# Altium PCB Version_2.PcbDoc
Units mil, origin at the board's own origin, x right, y up, seen from the top; angles counter-clockwise.
Board outline 7874.02 x 5905.51 mil, 2 copper layers (Top Layer, Bottom Layer); 209 components, 112 nets, 573 pads, 95 vias.
Unrouted connection lines stored in the file: 7.
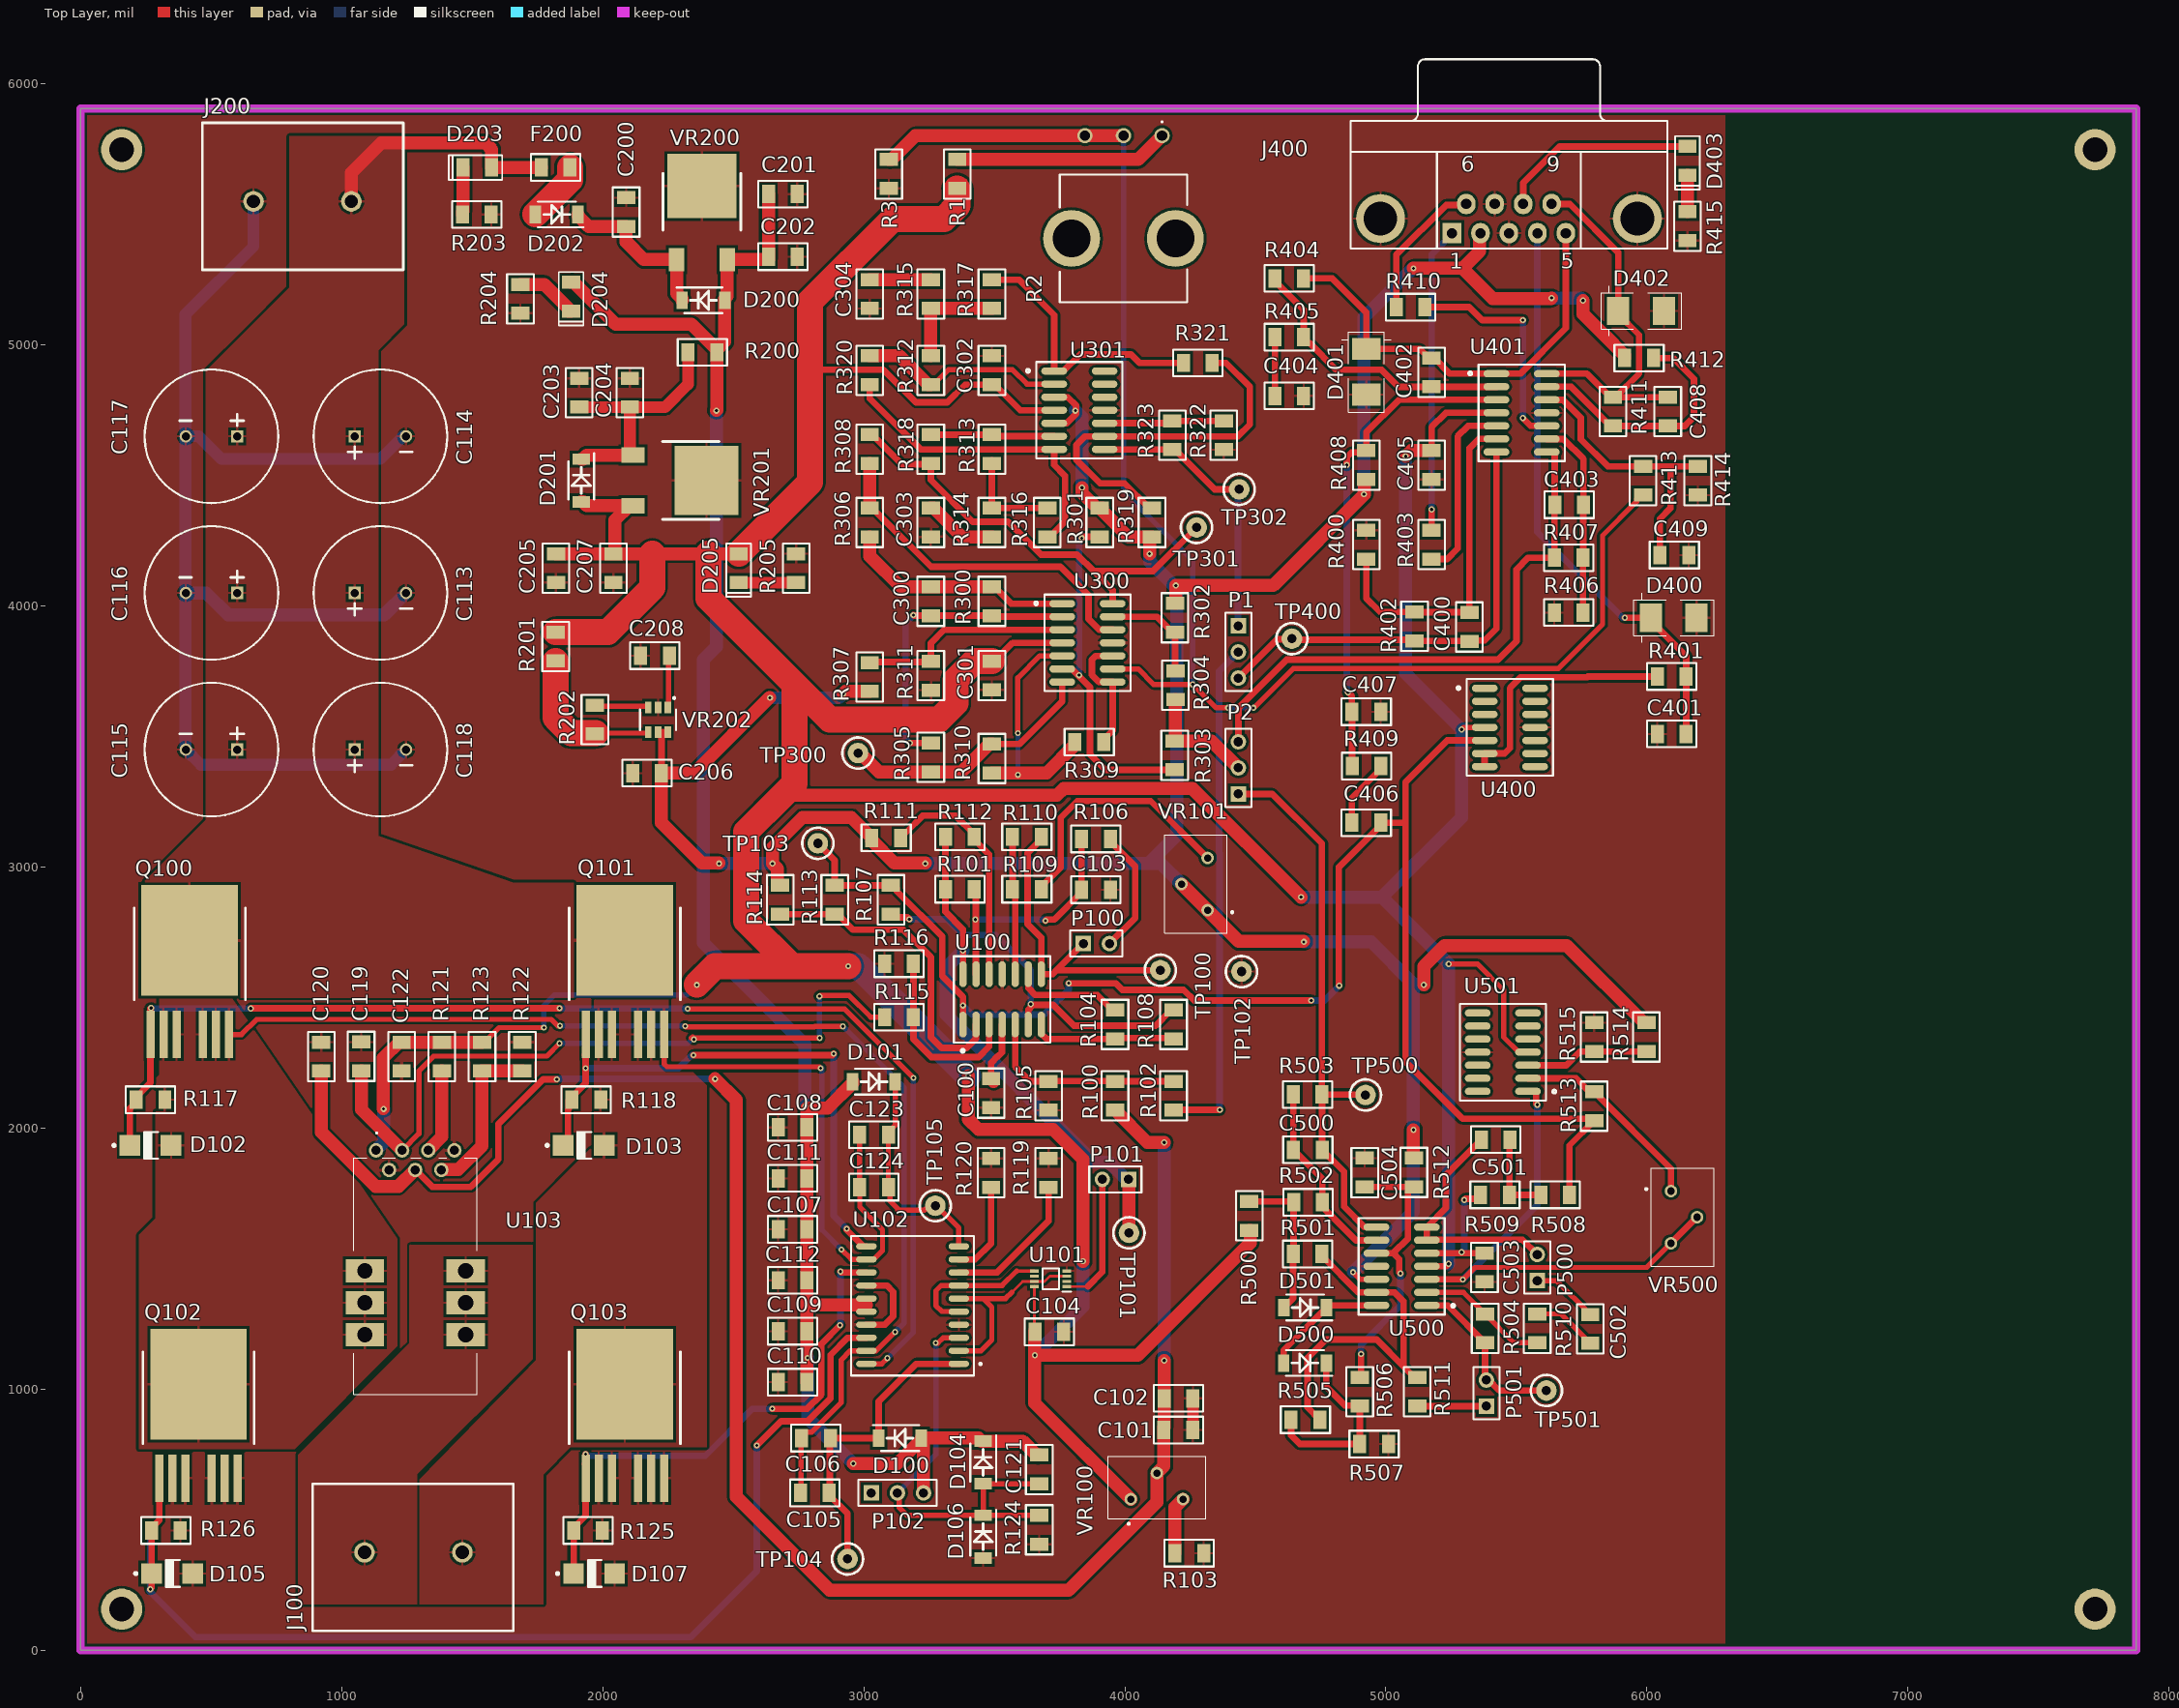
[diagram p0: Top Layer view]
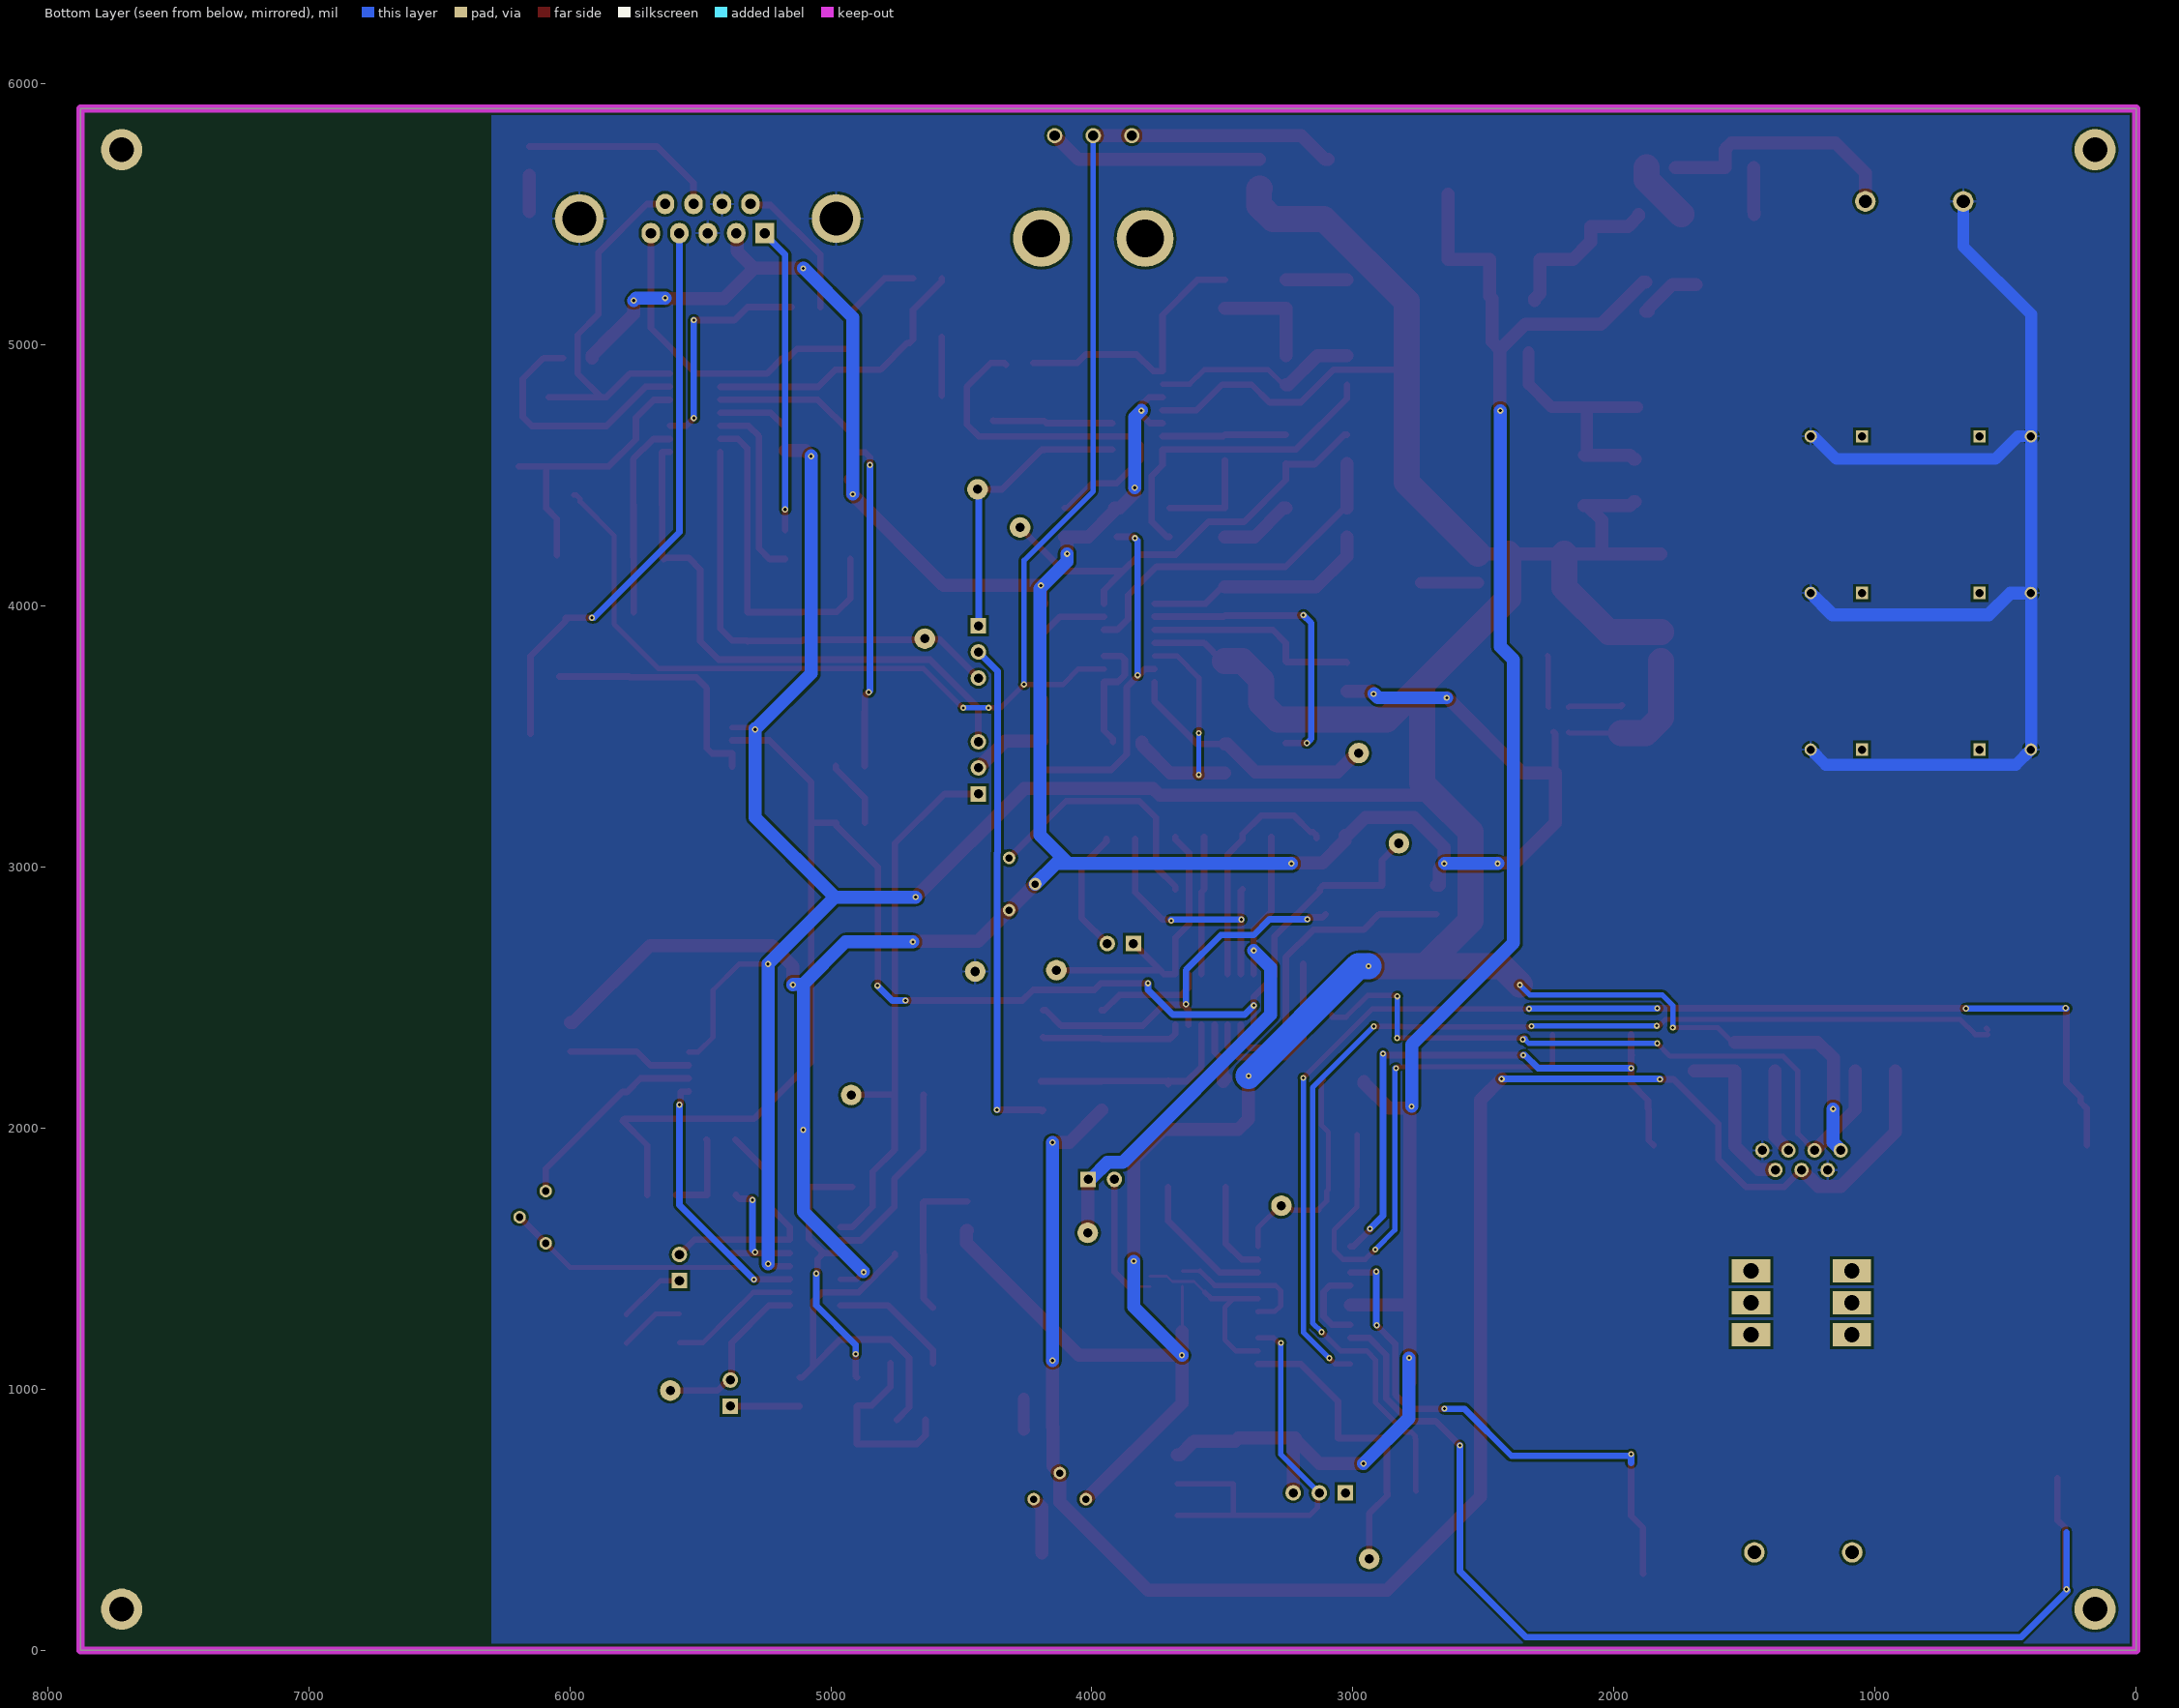
[diagram p1: Bottom Layer view, seen from below]
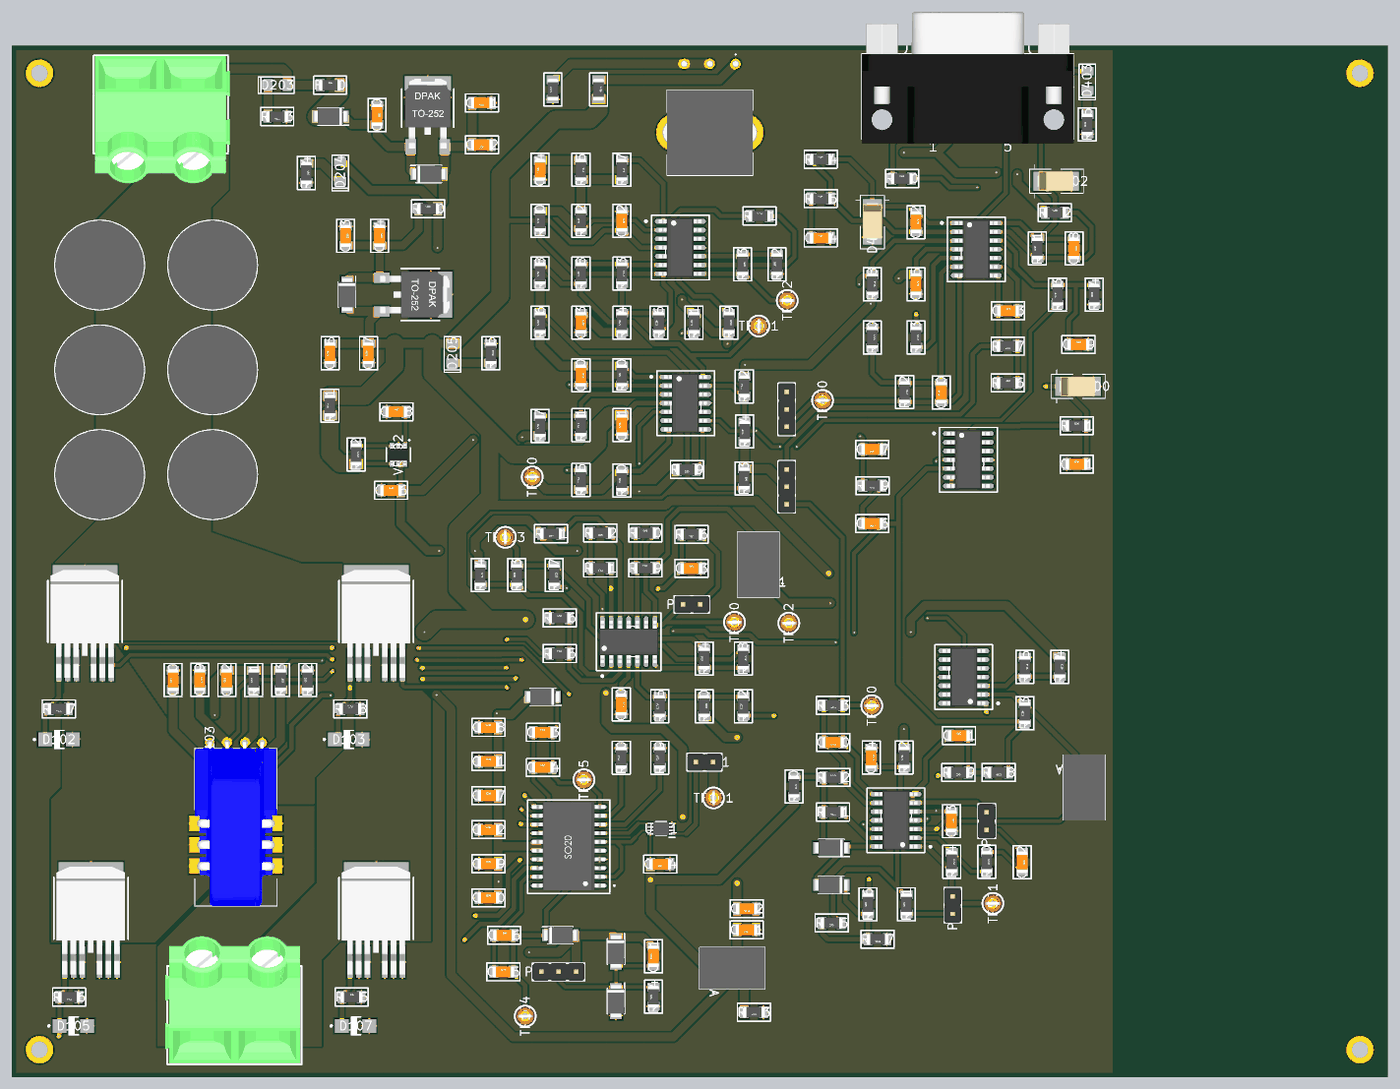
[diagram p2: 3D render of the assembled board from above, using the file's embedded part models]

## Layer stack, top to bottom
Top Solder: solder mask 0.4, Solder Resist, Dk 3.5
Top Layer: signal copper 1.4
Dielectric 1: dielectric 12.6, FR-4, Dk 4.8
Bottom Layer: signal copper 1.4
Bottom Solder: solder mask 0.4, Solder Resist, Dk 3.5

## Board outline
0,0 7874.02,0 7874.02,5905.51 0,5905.51

## Design rules (kind name [scope] priority, off if disabled: settings)
Clearance [All] p1: gap=10
PolygonConnect [All] p1: connectstyle=Relief reliefconductorwidth=10 reliefentries=4 polygonreliefangle="90 Angle" airgapwidth=10
RoutingVias [All] p1: holewidth=28 width=50 viastyle="Through Hole" minholewidth=28 minwidth=50 maxholewidth=28 maxwidth=50
SolderMaskExpansion [All] p1: expansion=4
Width [All] p1: maxlimit=393.7 minlimit=10 preferedwidth=10 minimp=50.000000 maximp=50.000000 favimp=50.000000
30 further rules are at their usual default settings.

## Classes and differential pairs
component class U_Signals2uC: C400 C401 C402 C403 C404 C405 C406 C407 C408 C409 D400 D401 D402 D403 J400 R400 R401 R402 R403 R404 R405 R406 R407 R408 R409 R410 R411 R412 R413 R414 R415 TP400 U400 U401
component class U_Fuentes: C200 C201 C202 C203 C204 C205 C206 C207 C208 D200 D201 D202 D203 D204 D205 F200 J200 R200 R201 R202 R203 R204 R205 VR200 VR201 VR202
component class U_Estimador: C500 C501 C502 C503 C504 D500 D501 P500 P501 R500 R501 R502 R503 R504 R505 R506 R507 R508 R509 R510 R511 R512 R513 R514 R515 TP500 TP501 U500 U501 VR500
component class "U_Controlador de corriente  V3": C100 C101 C102 C103 C104 C105 C106 C107 C108 C109 C110 C111 C112 C113 C114 C115 C116 C117 C118 C119 C120 C121 C122 C123 C124 D100 D101 D102 D103 D104 D105 D106 D107 J100 P100 P101 P102 Q100 Q101 Q102 Q103 R100 R101 R102 R103 R104 R105 R106 R107 R108 R109 R110 R111 R112 R113 R114 R115 R116 R117 R118 R119 R120 R121 R122 R123 R124 R125 R126 TP100 TP101 TP102 TP103 TP104 TP105 U100 U101 U102 U103 VR100 VR101
component class U_Compensador: C300 C301 C302 C303 C304 GND R300 R301 R302 R303 R304 R305 R306 R307 R308 R309 R310 R311 R312 R313 R314 R315 R316 R317 R318 R319 R320 R321 R322 R323 TP300 U300 U301
component class Principal: P1 P2 R1 R2 R3

## Components (designator, comment, footprint, x,y, rotation, side; value= is the part's Value field where it differs from the comment)
C100 "Capacitor" C1206 3488,2134 r270 top
C101 "Capacitor" C1206 4205,844 r180 top
C102 "Capacitor" C1206 4206,965 r180 top
C103 "Capacitor" C1206 3889.45,2913.2 r0 top
C104 "Capacitor" C1206 3711,1220 r180 top
C105 "Capacitor" C1206 2813,603 r0 top
C106 "Capacitor" C1206 2816.94,812.78 r0 top
C107 "Capacitor" C1206 2727.42,1612.59 r0 top
C108 "Capacitor" C1206 2727.42,2002.96 r0 top
C109 "Capacitor" C1206 2727.42,1222.23 r0 top
C110 "Capacitor" C1206 2727.42,1027.04 r0 top
C111 "Capacitor" C1206 2727.42,1807.77 r0 top
C112 "Capacitor" C1206 2727.42,1417.41 r0 top
C113 "EKY-350ELL102MK25S" CAPPRD500W60D1300H2650 1050,4050 r0 top
C114 "EKY-350ELL102MK25S" CAPPRD500W60D1300H2650 1050,4650 r0 top
C115 "EKY-350ELL102MK25S" CAPPRD500W60D1300H2650 600,3450 r180 top
C116 "EKY-350ELL102MK25S" CAPPRD500W60D1300H2650 600,4050 r180 top
C117 "EKY-350ELL102MK25S" CAPPRD500W60D1300H2650 600,4650 r180 top
C118 "EKY-350ELL102MK25S" CAPPRD500W60D1300H2650 1050,3450 r0 top
C119 "Capacitor" C1206 1075,2275 r270 top
C120 "Capacitor" C1206 922,2274.02 r90 top
C121 "Capacitor" C1206 3672.45,692.61 r90 top
C122 "Capacitor" C1206 1230,2274.02 r90 top
C123 "Capacitor" C1206 3039.11,1974.72 r0 top
C124 "Capacitor" C1206 3039.11,1773.98 r0 top
C200 "Capacitor" C1206 2090,5509 r270 top
C201 "Capacitor" C1206 2690,5578 r180 top
C202 "Capacitor" C1206 2690,5338 r180 top
C203 "Capacitor" C1206 1910,4817 r270 top
C204 "Capacitor" C1206 2104,4817 r270 top
C205 "Capacitor" C1206 1821,4145 r90 top
C206 "Capacitor" C1206 2170,3360 r0 top
C207 "Capacitor" C1206 2041,4145 r90 top
C208 "Capacitor" C1206 2200,3810 r0 top
C300 "Capacitor" C1206 3257,4018 r270 top
C301 "Capacitor" C1206 3491,3734 r90 top
C302 "Capacitor" C1206 3491,4903 r270 top
C303 "Capacitor" C1206 3257,4320 r270 top
C304 "Capacitor" C1206 3023,5195 r90 top
C400 "Capacitor" C1206 5320,3920 r90 top
C401 "Capacitor" C1206 6095,3510 r0 top
C402 "Capacitor" C1206 5175,4895 r270 top
C403 "Capacitor" C1206 5702,4387.99 r0 top
C404 "Capacitor" C1206 4630,4805 r0 top
C405 "Capacitor" C1206 5175,4540 r270 top
C406 "Capacitor" C1206 4925,3170 r180 top
C407 "Capacitor" C1206 4925,3595 r180 top
C408 "Capacitor" C1206 6080,4745 r270 top
C409 "Capacitor" C1206 6105,4195 r0 top
C500 "Capacitor" C1206 4701,1917 r180 top
C501 "Capacitor" C1206 5421,1956 r0 top
C502 "Capacitor" C1206 5783,1231 r270 top
C503 "Capacitor" C1206 5378,1466 r270 top
C504 "Capacitor" C1206 4919,1830 r270 top
D100 "RSX205LAM30TR" SODFL4725X105N 3139,812.78 r0 top
D101 "RSX205LAM30TR" SODFL4725X105N 3039.11,2178 r180 top
D102 "SMAJ15A" ONSC-SMA-2-403D-02_F_V 268,1934 r0 top
D103 "SMAJ15A" ONSC-SMA-2-403D-02_F_V 1927.01,1934 r0 top
D104 "RSX205LAM30TR" SODFL4725X105N 3457.45,719.61 r270 top
D105 "SMAJ15A" ONSC-SMA-2-403D-02_F_V 351,294 r0 top
D106 "RSX205LAM30TR" SODFL4725X105N 3457.45,435.31 r270 top
D107 "SMAJ15A" ONSC-SMA-2-403D-02_F_V 1967.01,294 r0 top
D200 "RSX205LAM30TR" SODFL4725X105N 2386,5171 r0 top
D201 "RSX205LAM30TR" SODFL4725X105N 1918,4481 r270 top
D202 "RSX205LAM30TR" SODFL4725X105N 1824,5500 r180 top
D203 "LED" "LED 1206 RED" 1520,5680 r180 top
D204 "LED" "LED 1206 RED" 1879,5184.5 r270 top
D205 "LED" "LED 1206 RED" 2521,4145 r270 top
D400 "Diodo Zener" SMB 6190,3955 r0 top
D401 "Diodo Zener" SMB 4925,4810 r270 top
D402 "Diodo Zener" SMB 6065,5130 r0 top
D403 "LED" "LED 1206 RED" 6155,5705 r270 top
D500 "RSX205LAM30TR" SODFL4725X105N 4690,1100.03 r180 top
D501 "RSX205LAM30TR" SODFL4725X105N 4691,1313 r180 top
F200 "Fuse" R1206 1820,5680 r0 top
J100 "Header 2" SMKDS5-2-9.5 1275,375 r0 top
J200 "Header 2" SMKDS5-2-9.5 850,5550 r180 top
J400 "DB9H" DB9H 5253.31,5428.19 r0 top
P1 "Header 3" HDR1X3 4435,3924 r270 top
P2 "Header 3" HDR1X3 4435,3280 r90 top
P100 "Header 2" HDR1X2 3841,2707 r0 top
P101 "Header 2" HDR1X2 4014,1804 r180 top
P102 "Header 3" HDR1X3 3029,603 r0 top
P500 "Header 2" HDR1X2 5580,1416 r90 top
P501 "Header 2" HDR1X2 5385,935 r90 top
Q100 "IPB160N04" TO263-7S 418,2719.24 r0 top
Q101 "IPB160N04" TO263-7S 2085,2719.24 r0 top
Q102 "IPB160N04" TO263-7S 452,1019.24 r0 top
Q103 "IPB160N04" TO263-7S 2085,1019.24 r0 top
R1 "374" R1206 3358,5655 r270 top
R2 "Potenciometro" pote_5_pines_vertical 3995,5408 r180 top
R3 "4k3" R1206 3096,5655 r90 top
R100 "3k2" R1206 3962.67,2124 r270 top
R101 "10k" R1206 3368,2915 r180 top
R102 "10k" R1206 4187,2124 r90 top
R103 "1k" R1206 4247,372 r180 top
R104 "500" R1206 3962.67,2397 r90 top
R105 "4k7" R1206 3708,2124 r90 top
R106 "15k" R1206 3889.45,3108 r180 top
R107 "10k" R1206 3104,2874.86 r270 top
R108 "10k" R1206 4187,2397 r270 top
R109 "500" R1206 3625,2915 r0 top
R110 "200k" R1206 3625,3116 r0 top
R111 "2k" R1206 3086,3112 r180 top
R112 "10k" R1206 3368,3116 r180 top
R113 "1k" R1206 2889,2874.86 r90 top
R114 "1k" R1206 2680,2874.86 r270 top
R115 "1k" R1206 3135,2425 r0 top
R116 "1k" R1206 3135,2630 r0 top
R117 "4k7" R1206 268,2109 r180 top
R118 "4k7" R1206 1937.02,2109 r0 top
R119 "200k" R1206 3708,1829 r90 top
R120 "200k" R1206 3488,1829 r90 top
R121 "100K" R1206 1384,2274.02 r90 top
R122 "1k" R1206 1692,2274.02 r90 top
R123 "0R" R1206 1538,2274.02 r270 top
R124 "10k" R1206 3672.45,461.31 r90 top
R125 "4k7" R1206 1944.02,459 r0 top
R126 "4k7" R1206 327,459 r180 top
R200 "0R" R1206 2382,4972 r0 top
R201 "0R" R1206 1820,3845 r90 top
R202 "4k7" R1206 1970,3565 r270 top
R203 "2.37K" R1206 1518,5500 r180 top
R204 "1k" R1206 1685,5177 r270 top
R205 "300" R1206 2741,4145 r270 top
R300 "1M" R1206 3491,4018 r90 top
R301 "1k" R1206 3904,4320 r90 top
R302 "1k" R1206 4192,3955 r90 top
R303 "1k" R1206 4191,3428 r270 top
R304 "1k" R1206 4194,3697 r90 top
R305 "1k" R1206 3257,3420 r90 top
R306 "1k" R1206 3023,4320 r90 top
R307 "1k" R1206 3023,3728 r90 top
R308 "1k" R1206 3023,4601 r90 top
R309 "1k" R1206 3864,3479 r180 top
R310 "1k" R1206 3491,3416 r90 top
R311 "1k" R1206 3257,3733 r90 top
R312 "100k" R1206 3257,4903 r90 top
R313 "100k" R1206 3491,4601 r270 top
R314 "221" R1206 3491,4320 r90 top
R315 "221" R1206 3257,5195 r270 top
R316 "4k3" R1206 3703,4320 r90 top
R317 "4k3" R1206 3491,5195 r270 top
R318 "100k" R1206 3257,4601 r90 top
R319 "800k" R1206 4104,4320 r270 top
R320 "100k" R1206 3023,4903 r90 top
R321 "1k" R1206 4280,4931 r0 top
R322 "1k" R1206 4379,4654 r90 top
R323 "800k" R1206 4182,4654 r270 top
R400 "10k" R1206 4925,4235 r270 top
R401 "10k" R1206 6095,3730 r0 top
R402 "10k" R1206 5110,3922 r270 top
R403 "10k" R1206 5175,4235 r270 top
R404 "12k" R1206 4630,5255 r0 top
R405 "1k" R1206 4630,5030 r0 top
R406 "10k" R1206 5700,3975 r0 top
R407 "10k" R1206 5700,4185 r180 top
R408 "1k" R1206 4925,4540 r270 top
R409 "1k" R1206 4926,3387 r180 top
R410 "10k" R1206 5095,5145 r0 top
R411 "10k" R1206 5870,4745 r90 top
R412 "10k" R1206 5970,4950 r0 top
R413 "10k" R1206 5985,4480 r90 top
R414 "10k" R1206 6195,4480 r90 top
R415 "2.37K" R1206 6155,5455 r90 top
R500 "1.8M" R1206 4476.75,1663.99 r270 top
R501 "3.56K" R1206 4700,1518 r180 top
R502 "100K" R1206 4701.88,1716 r0 top
R503 "100K" R1206 4700,2129 r180 top
R504 "25K" R1206 5380,1233.32 r270 top
R505 "3.56K" R1206 4692,883 r180 top
R506 "100K" R1206 4900,990 r90 top
R507 "1.8M" R1206 4954.88,790 r180 top
R508 "8.9K" R1206 5648.12,1744.5 r180 top
R509 "15K" R1206 5418,1744.5 r180 top
R510 "10" R1206 5580,1233.32 r270 top
R511 "3.56K" R1206 5120,990 r90 top
R512 "100K" R1206 5107.38,1830.33 r90 top
R513 "1K" R1206 5798,2084.12 r90 top
R514 "293" R1206 5998,2349 r270 top
R515 "1k" R1206 5798,2349 r270 top
TP100 "V_Hist" "TestPoint Keystone 5000 Silver-Red" 4136,2605 r90 top
TP101 "Vout_osc_HF" "TestPoint Keystone 5000 Silver-Red" 4016,1599 r0 top
TP102 "GND" "TestPoint Keystone 5000 Silver-Red" 4447,2600 r90 top
TP103 "Vi_Feed" "TestPoint Keystone 5000 Silver-Red" 2824,3091 r180 top
TP104 "BHB" "TestPoint Keystone 5000 Silver-Red" 2938,350 r90 top
TP105 "AHB" "TestPoint Keystone 5000 Silver-Red" 3274,1703 r90 top
TP300 "Verror1" "TestPoint Keystone 5000 Silver-Red" 2978,3437 r90 top
TP301 "Verror2" "TestPoint Keystone 5000 Silver-Red" 4275,4301 r0 top
TP302 "Vcomp_A" "TestPoint Keystone 5000 Silver-Red" 4438,4447 r90 top
TP400 "Vcomp_D" "TestPoint Keystone 5000 Silver-Red" 4640,3875 r90 top
TP500 "Vpos_Est_A" "TestPoint Keystone 5000 Silver-Red" 4922,2127 r270 top
TP501 "Vder" "TestPoint Keystone 5000 Silver-Red" 5615,995 r270 top
U100 "MCP664" SOIC14 3555.14,2493.32 r90 top
U101 "SN74LVC3G06DCUT" SOP50P310X90-8N 3716,1423 r180 top
U102 "HIP4081A" SOIC20 3187.23,1322.21 r180 top
U103 "HO_15-NP-0000" HO15NP0000 1132,1915 r270 top
U300 "MCP664" SOIC14 3857,3834 r0 top
U301 "MCP664" SOIC14 3826,4725 r0 top
U400 "MCP664" SOIC14 5475,3510 r0 top
U401 "MCP664" SOIC14 5520,4715 r0 top
U500 "MCP664" SOIC14 5060.46,1495.86 r180 top
U501 "MCP664" SOIC14 5448,2316 r180 top
VR100 "Trimmer (Thru-Hole)" 3299Y1203LF 4022.94,578.95 r270 top
VR101 "Trimmer (Thru-Hole)" 3299Y1203LF 4317,2835 r0 top
VR200 "L78M12CDT-TR" TO252-AA 2380,5609 r0 top
VR201 "L78M05CDT-TR" TO252-AA 2398,4481 r270 top
VR202 "MAX6071" SOT23-6 2212,3564 r270 top
VR500 "Trimmer (Thru-Hole)" 3299Y1203LF 6092,1759 r180 top

## Footprints (in the part's own frame and the unit in brackets; to place one, negate y for a bottom-side part, rotate by r counter-clockwise, add the part's x,y. Pads: shape width x height; smd on the part's side, far side on the other; paste and mask are expansions set on the pad)
3299Y1203LF [mm]
  round 1.217 hole 0.71: 1(0,0) 2(-2.54,2.54) 3(0,5.08)
  silkscreen extent -4.19,-2.22 2.5,7.3, body extent -4.19,-2.22 1.91,7.3, height 11.65
C1206 [mil]
  rect 50x70 smd: 1(-55.12,0) 2(55.12,0)
  silkscreen extent -94,-51 94,51, body extent -63,-31 63,31, height 39
CAPPRD500W60D1300H2650 [mm]
  rect 1.2x1.2 hole 0.8: 1(0,0)
  round 1.2 hole 0.8: 2(5,0)
  silkscreen extent -4,-6.5 9,6.5, body extent -4,-6.5 9,6.5, height 26.5
DB9H [mm]
  rect 1.8x2 hole 1: 1(0,0)
  oval 1.8x2 hole 1: 2(2.77,0) 3(5.54,0) 4(8.31,0) 5(11.08,0) 6(1.385,2.84) 7(4.155,2.84) 8(6.925,2.84) 9(9.695,2.84)
  round 4.76 hole 3.26: 10(-6.955,1.42) 11(18.035,1.42)
  silkscreen extent -9.86,-1.48 20.94,16.92, body extent -9.84,-2.08 20.97,16.99, height 12.58
HDR1X2 [mm]
  rect 1.5x1.5 hole 0.9: 1(0,0)
  round 1.5 hole 0.9: 2(2.54,0)
  silkscreen extent -1.27,-1.27 3.81,1.27, body extent -1.27,-1.27 3.81,1.27, height 8.54
HDR1X3 [mm] "Connector; Header; 3 Position"
  rect 1.5x1.5 hole 0.9: 1(0,0)
  round 1.5 hole 0.9: 2(2.54,0) 3(5.08,0)
  silkscreen extent -1.27,-1.27 6.35,1.27, body extent -1.27,-1.27 6.35,1.27, height 8.54
HO15NP0000 [mm]
  round 1.4 hole 0.9: 1(0,0) 2(1.905,1.27) 3(0,2.54) 4(1.905,3.81) 5(0,5.08) 6(1.905,6.35) 7(0,7.62)
  rect 2.25x3.75 hole 1.5: 8(11.735,8.71) 9(14.835,8.71) 10(17.935,8.71) 11(17.935,-1.09) 12(14.835,-1.09) 13(11.735,-1.09)
  silkscreen extent -1.75,-2.19 23.75,9.81, body extent -0.18,-2.21 23.75,9.79, height 11.9
"LED 1206 RED" [mil] "Led SMD 1206"
  rect 50x70 smd: 1(-55.12,0) 2(55.12,0)
  silkscreen extent -95,-47 110,47, body extent -65,-31 69,32, height 20
ONSC-SMA-2-403D-02_F_V [mm] "Molded, 2-Leads, Body 4.32x2.6mm"
  rect 2x2 smd: 1(-2,0) 2(2,0)
  silkscreen extent -3.67,-1.3 0.74,1.3, body extent -2.16,-1.3 2.16,1.3, height 2.2
pote_5_pines_vertical [mm]
  round 1.5 hole 1: 1(-3.75,-10) 2(0,-10) 3(3.75,-10)
  round 5.52 hole 3.68: GND(-5.05,0) GND(5.05,0)
  silkscreen extent -6.2,-11.4 6.2,6.2, body extent -6.79,-10.4 6.79,6.2, height 25.1
R1206 [mil]
  rect 50x70 smd: 1(-55.12,0) 2(55.12,0)
  silkscreen extent -94,-51 94,51, body extent -63,-31 63,31, height 39